# Altium PCB BeagleBone_Black_RevB4.PcbDoc (part 2 of 5) (continued)
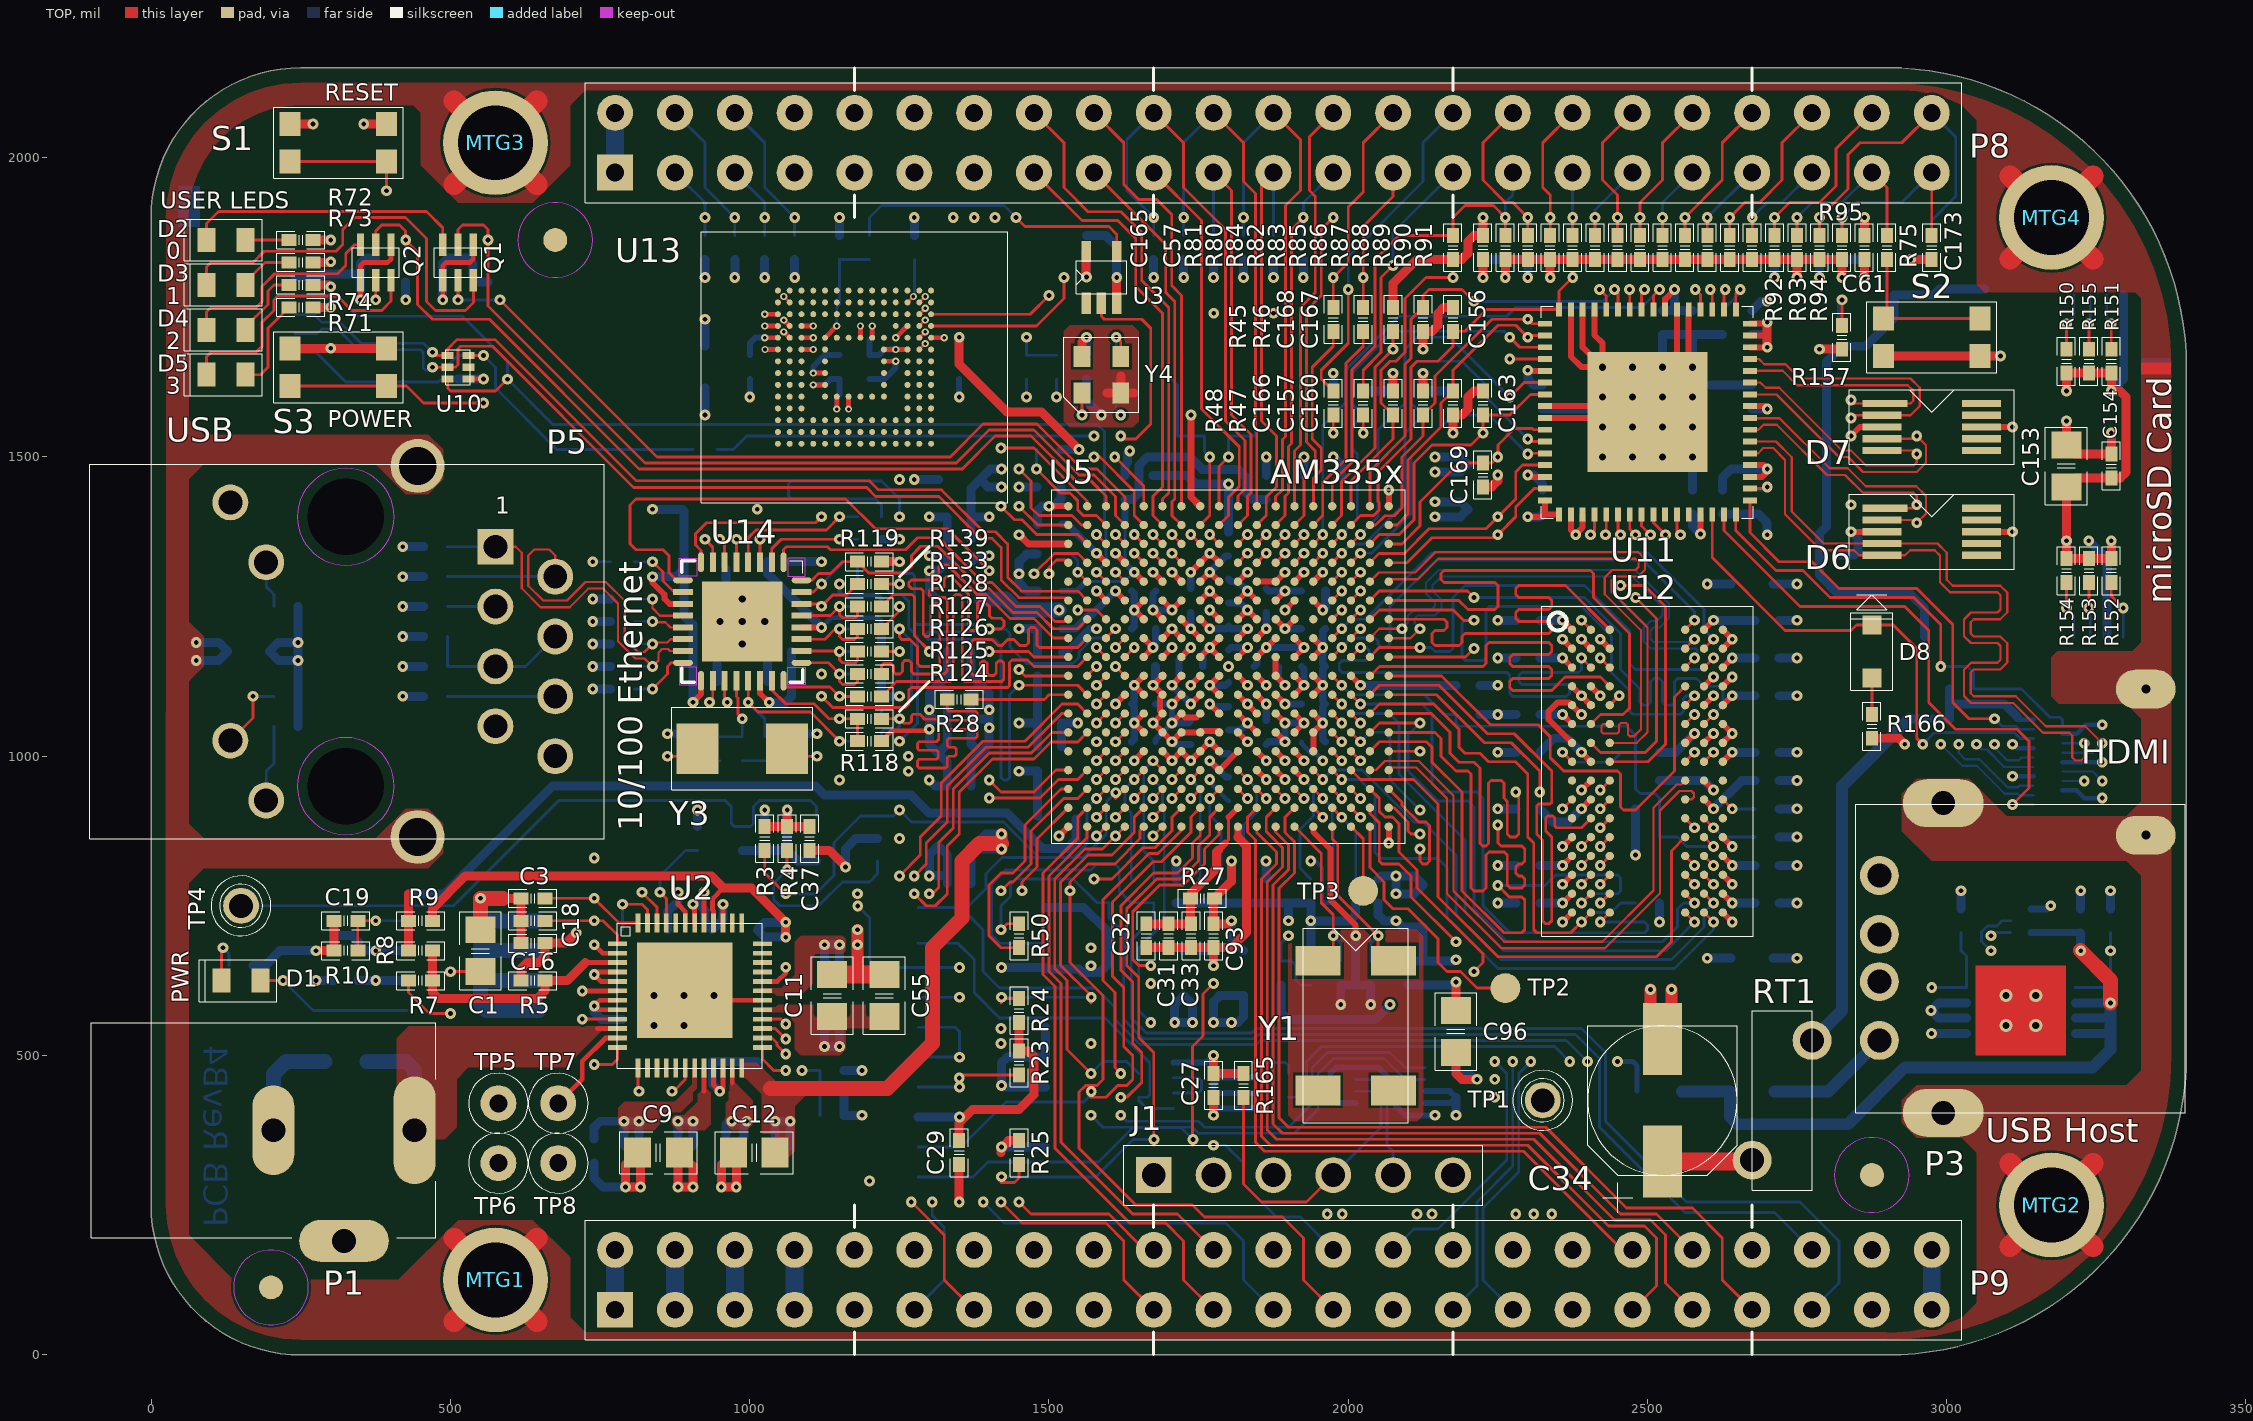
[diagram p0: TOP view]
## Nets (pads, with @x,y where several pads share a name; then routed paths per layer and width w, separated by ;. In a path a pad name is that pad's centre, name@x,y a point inside that pad or via, vN(x,y) a via of type N, cw(c..) or ccw(c..) an arc to the next point about the centre after c; other vN are vias at no path point) (continued)
DDR_D3: U5.N2 U12.F8 | length 895.9
  TOP w4.75: U5.N2@2036.22,1260.24 2051.95,1275.97 2199.03,1275.97 v1(2210,1265)
  BOTTOM w4.75: v1(2210,1265) 2395,1265 2455,1205 2455,1145 2487.5,1112.5 2487.5,1090 2492.5,1085 2500,1085 2505,1090 2505,1125 2510,1130 2520,1130 2525,1125 2525,1090 2530,1085 2540,1085 2545,1090 2545,1125 2550,1130 2581.74,1130 2595,1116.74 2618.26,1116.74 2625.99,1109.01 2625.99,1085.24 v1(2610.25,1069.5)
DDR_D4: U5.N3 U12.H3 | length 918.3
  TOP w4.75: U5.N3@2004.72,1260.24 v1(2020.5,1276) ; U12.H3@2437,990.75 2500.75,990.75 2530,1020 2530,1250 2495,1285 v1(2455,1285)
  LYR3 w5.25: v1(2020.5,1276) 2021,1276 2070,1325 2415,1325 v1(2455,1285)
DDR_D5: U5.N4 U12.H8 | length 895
  TOP w4.75: U5.N4@1973.23,1260.24 v1(1989,1276)
  LYR3 w4.75: v1(1989,1276) 2004.76,1260.24 2030.24,1260.24
  LYR3 w5.25: 2030.24,1260.24 2080,1310 2390,1310 2530,1170 2530,1025 2565,990 2593.75,990 v1(2610.25,1006.5)
DDR_D6: U5.P3 U12.G2 | length 916.3
  TOP w4.75: U5.P3@2004.72,1291.73 v1(2020.5,1307.5) ; U12.G2@2405.5,1022.25 2421.37,1006.38 2496.38,1006.38 2515,1025 2515,1230 v1(2480,1265)
  LYR3 w5.25: v1(2020.5,1307.5) 2032.5,1307.5 2065,1340 2425,1340 2480,1285 v1(2480,1265)
DDR_D7: U5.P4 U12.H7 | length 895.2
  TOP w4.75: U5.P4@1973.23,1291.73 v1(1989,1307.5)
  LYR3 w4.75: v1(1989,1307.5) 2004.76,1323.26 2028.26,1323.26
  LYR3 w5.25: 2028.26,1323.26 2059.01,1354.01 2435.99,1354.01 2550,1240 2550,1035.25 v1(2578.75,1006.5)
DDR_D8: U5.J1 U12.D7 | length 799
  TOP w4.75: U5.J1@2067.72,1134.25 2155.75,1134.25 2237.5,1052.5 2317.5,1052.5 2337.5,1032.5 2337.5,997.5 2360,975 2450,975 2455,970 2455,915 2460,910 2480,910 2545,975 2545,1098.75 U12.D7@2563,1116.75
DDR_D9: U5.K1 U12.C3 | length 799.4
  TOP w4.75: U5.K1@2067.72,1165.75 2195.74,1165.74 v1(2210,1180) ; v1(2421.25,1164) U12.C3@2437,1148.25
  LYR3 w5.25: v1(2210,1180) 2225,1180 2230,1185 2230,1260 2235,1265 2265,1265 2270,1260 2270,1175 2275,1170 2295,1170 2300,1175 2300,1260 2305,1265 2325,1265 2330,1260 2330,1135 2335,1130 2416.25,1130 2421.25,1135 v1(2421.25,1164)
DDR_D10: U5.K2 U12.C8 | length 776.7
  TOP w4.75: U5.K2@2036.22,1165.75 2051.95,1181.48 v1(2120,1181.48)
  BOTTOM w4.75: v1(2120,1181.48) 2138.52,1181.48 2145,1175 2170,1175 2175,1180 2175,1265 2195,1285 2395,1285 2470,1210 2470,1155 2480,1145 2591.25,1145 v1(2610.25,1164)
DDR_D11: U5.K3 U12.C2 | length 774.8
  TOP w4.75: U5.K3@2004.72,1165.75 v1(2020.5,1181.5)
  BOTTOM w4.75: v1(2020.5,1181.5) 2030,1181.5 2035,1176.5 2035,1165 2030,1160 1990,1160 1985,1155 1985,1145 1990,1140 2265,1140 2270,1135 2270,1105 2275,1100 2365,1100 2370,1105 2370,1115 2365,1120 2290,1120 2285,1125 2285,1135 2290,1140 2384.75,1140 2389.75,1145 v1(2389.75,1164)
DDR_D12: U5.K4 U12.A7 | length 774.1
  TOP w4.75: U5.K4@1973.23,1165.75 v1(1989,1181.5)
  BOTTOM w4.75: v1(1989,1181.5) 2004.76,1197.26 2045,1197.26 2050,1192.26 2050,1187.5 2055,1182.5 2065,1182.5 2070,1187.5 2070,1250 2147.5,1327.5 2492.5,1327.5 2578.75,1241.25 v1(2578.75,1227)
DDR_D13: U5.L3 U12.A2 | length 774.1
  TOP w4.75: U5.L3@2004.72,1197.24 v1(2020.5,1213)
  LYR3 w5.25: v1(2020.5,1213) 2033,1213 2050,1230 2135,1230 2140,1225 2140,1185 2145,1180 2185,1180 2190,1185 2190,1250 2185,1255 2095,1255 2090,1260 2090,1275.99 2095,1280.99 2369.01,1280.99 2390,1260 2390,1227.25 v1(2389.75,1227)
DDR_D14: U5.L4 U12.B8 | length 776.1
  TOP w4.75: U5.L4@1973.23,1197.24 v1(1989,1213)
  BOTTOM w4.75: v1(1989,1213) 2004.76,1228.76 2028.76,1228.76 2140,1340 2500,1340 2594.49,1245.51 2594.49,1211.26 v1(2610.25,1195.5)
DDR_D15: U5.M1 U12.A3 | length 792.6
  TOP w4.75: U5.M1@2067.72,1228.74 2100,1228.74 2160,1228.75 2165,1223.75 2165,1215 2160,1210 2145,1210 2140,1205 2140,1190 2145,1185 2185,1185 2190,1190 2190,1200 2195,1205 2335,1205 2340,1210 2340,1220 2335,1225 2285,1225 2280,1230 2280,1240 2285,1245 2335,1245 2340,1250 2340,1260 2335,1265 2285,1265 2280,1270 2280,1280 2285,1285 2363.25,1285 U12.A3@2437,1211.25
DDR_DQM0: U5.M2 U12.E7 | length 896.9
  TOP w4.75: U5.M2@2036.22,1228.74 2051.99,1244.51 2175.49,1244.51 2193,1227 v1(2210,1227)
  BOTTOM w4.75: v1(2210,1227) 2195,1227 2190,1222 2190,1165 2195,1160 2225,1160 2230,1165 2230,1245 2235,1250 2390,1250 2440,1200 2440,1140 2470,1110 2470,1075 2475,1070 2555,1070 2560,1075 2560,1096 2565,1101 v1(2578.75,1101)
DDR_DQM1: U5.J2 U12.D3 | length 793.8
  TOP w4.75: U5.J2@2036.22,1134.25 2051.97,1150 2225,1150 2230,1155 2230,1185 2235,1190 2335,1190 2340,1185 2340,1175 2335,1170 2275,1170 2270,1165 2270,1155 2275,1150 2335,1150 2340,1145 2340,1135 2335,1130 2275,1130 2270,1125 2270,1115 2275,1110 2340,1110 2362.48,1132.48 2421.27,1132.48 U12.D3@2437,1116.75
DDR_DQS0: U5.P1 U12.F3 | length 915.7
  TOP w3.75: U5.P1@2067.72,1291.73 2071.85,1295.86 2116.42,1295.86 2150.56,1330 2480,1330 2485,1325 2485,1316.24 2480,1311.24 2441.24,1311.24 2428.76,1298.76 2428.76,1270.68 2489,1210.44 2489,1044.56 2477.69,1033.25 2470.5,1033.25 2467.5,1036.25 2467.5,1052.25 2464.5,1055.25 2455.5,1055.25 2452.5,1052.25 2452.5,1041 2449.5,1038 2426,1038 2423,1041 2423,1050.75 2426,1053.75 U12.F3@2437,1053.75
DDR_DQS1: U5.L1 U12.C7 | length 776.1
  TOP w3.75: U5.L1@2067.72,1197.24 2104.23,1197.24 v1(2120,1213)
  BOTTOM w3.75: v1(2120,1213) 2111,1222 2111,1230 2116,1235 2144.56,1235 2156,1246.44 2156,1261.56 2141,1276.56 2141,1285.44 2155.8,1300.24 2474.76,1300.24 2525,1250 2525,1235 2516,1226 2505.44,1226 2494,1214.56 2494,1191.44 2505.44,1180 2580.25,1180 2583.25,1177 2583.25,1167 2580.25,1164 v1(2578.75,1164)
DDR_DQSN0: U5.P2 U12.G3 | length 915.8
  TOP w3.75: U5.P2@2036.22,1291.73 2051.35,1306.86 2111.86,1306.86 2146,1341 2484.56,1341 2496,1329.56 2496,1311.68 2484.56,1300.24 2445.8,1300.24 2439.76,1294.2 2439.76,1275.24 2500,1215 2500,1040 2482.25,1022.25 U12.G3@2437,1022.25
DDR_DQSN1: U5.L2 U12.B7 | length 776.6
  TOP w3.75: U5.L2@2036.22,1197.24 2051.99,1213.01 v1(2090,1213)
  BOTTOM w3.75: v1(2090,1213) 2100,1223 2100,1234.56 2111.44,1246 2140,1246 2145,1251 2145,1257 2130,1272 2130,1290 2151.24,1311.24 2479.32,1311.24 2536,1254.56 2536,1230.44 2520.56,1215 2510,1215 2505,1210 2505,1196 2510,1191 2574.25,1191 v1(2578.75,1195.5)
DDR_ODT: U5.G1 U12.K1 | length 926.9
  TOP w4.75: U5.G1@2067.72,1071.26 2113.47,1071.26 ; 2113.48,1071.27 2138.73,1071.27 2170,1040 2170,1005 2185,990 2210,990 2220,980 2220,854.18 2224.18,850 2230.08,850 2234.26,854.18 2234.26,955 2238.52,959.26 2255.74,959.26 2260,955 2260,930 2265.74,924.26 2265.74,870 2270.74,865 2280,865 2285,870 2285,935 v1(2280,940)
  LYR3 w5.25: v1(2280,940) 2280,960 2270,970 2270,985 2275,990 2290,990 2300,980 2300,925 2295,920 2285,920 2280,915 2280,905 2285,900 2320,900 2332,912 v1(2358.25,912)
DDR_RASN: U5.G4 U12.J3 | length 921.5
  TOP w4.75: U5.G4@1973.23,1071.26 v1(1989,1055.5)
  LYR3 w4.75: v1(1989,1055.5) 1973.26,1039.76 1973.26,1016.74 1981.74,1008.26 1996.74,1008.26 2004.76,1000.24 2004.76,985 2014.76,975 2021,975
  LYR3 w5.25: 2021,975 2135,975 2155,995 2155,1020 2135.49,1039.51 2105,1039.51 2100,1044.51 2100,1080 2105,1085 2165,1085 2224.25,1025.75 2274.25,1025.75 2339.5,960.5 2415.5,960.5 2425,970 2445,970 2473.96,941.04 2473.96,933.96 2468.15,928.15 2461.09,928.15 2445.75,943.5 v1(2421.25,943.5)
DDR_RESETN: R97.2 U5.G2 U12.T2 | length 793.1
  TOP w4.75: U5.G2@2036.22,1071.26 2051.99,1087.03 2142.97,1087.03 2185,1045 2185,1015 2195,1005 2220,1005 2234.26,990.74 2279.26,990.74 2300,970 2300,865 2310,855 2310,710 2315,705 2371.75,705 v1(2389.75,723)
  BOTTOM w4.75: v1(2389.75,723) 2405.51,738.76 2439.26,738.76 2455,754.5 R97.2@2480,754.5
DDR_VREF: C28.1 C123.1 C124.1 R98.2 R100.1 U5.J4 U12.H1 U12.M8 | length 990
  TOP w4.75: U5.J4@1973.23,1134.25 v1(1989,1118.5)
  BOTTOM w4.75: v1(1989,1118.5) 2004.74,1102.76 2127.24,1102.76 2160.5,1069.5 C28.1@2180,1069.5 2180,1055 2185,1050 2465,1050 2480,1035 R98.2@2480,1006.5 ; v1(2358.25,1006.5) 2374.75,990 2440,990 2456.5,1006.5 R98.2@2480,1006.5 ; v1(2610.25,849) 2565.75,849 2550,864.75 C124.1@2520,864.75 R100.1@2520,912 2520,930 2512.5,937.5 2487.5,937.5 2480,945 C123.1@2480,959.25 R98.2@2480,1006.5
DDR_VTP: R22.2 U5.J3 | length 181.8
  TOP w10: U5.J3@2004.72,1134.25 v1(2020.5,1118.5)
  BOTTOM w15: v1(2020.5,1118.5) R22.2@2180,1118.5
DDR_WEN: U5.B2 U12.L3 | length 920.5
  TOP w4.75: U5.B2@2036.22,913.78 2036.22,904.38 2051.85,888.75 2051.85,825 2056.85,820 2085,820 2105,800 2105,765 v1(2180,690)
  LYR3 w5.25: v1(2180,690) 2180.25,689.75 2190.25,689.75 2235,645 2450,645 2485,680 2485,810 2500,825 2500,855 2460,895 2435.75,895 v1(2421.25,880.5)
DGND: C1.1 C2.1 C3.1 C4.1 C7.1 C8.1 C9.1 C10.1 C11.1 C12.1 C13.1 C14.1 C15.1 C16.2 C17.2 C18.2 C19.2 C20.2 C24.2 C27.2 C28.2 C29.2 C30.2 C34.2 C35.2 C36.2 C37.2 C38.2 C39.1 C40.1 C41.2 C42.2 C43.2 C44.2 C45.2 C46.2 C47.2 C48.2 C49.2 C50.2 C51.2 C52.2 C53.2 C54.2 C55.1 C56.1 C57.1 C58.2 C59.2 C60.1 C61.1 C62.1 C63.2 C64.2 C65.2 C66.2 C67.2 C68.1 C69.1 C70.1 C71.1 C72.1 C73.1 C74.1 C75.1 C76.1 C77.2 C78.2 C79.2 C80.2 C81.2 C82.2 C83.2 C84.2 C85.2 C86.2 C87.2 C88.2 C89.2 C90.2 C91.2 C92.2 C94.2 C95.1 C96.1 C97.2 C98.2 C99.2 C100.2 C101.2 C102.2 C103.2 C104.2 C105.2 C106.2 C107.2 C108.2 C109.2 C110.2 C111.2 C112.2 C113.2 C114.2 C115.2 C116.2 C117.2 C118.1 C119.2 C120.2 C121.2 C122.1 C123.2 C124.2 C125.2 C126.1 C127.2 C128.2 C129.2 C130.2 C131.2 C132.2 C133.1 C134.2 C135.2 C136.2 C137.2 C138.2 C139.2 C140.2 C141.2 C142.2 C143.2 C144.2 C145.2 C146.2 C147.2 C148.2 C149.2 C150.2 C151.2 C152.2 C153.2 C154.2 C155.1 C156.2 C157.2 C158.2 C159.2 C160.2 C161.2 C162.2 C163.2 C164.2 C165.2 C166.2 C167.2 C168.2 C169.2 C170.2 C171.2 C172.2 C173.2 D6.3 D6.8 D7.3 D7.8 FB3.2 J1.1 P1.2 P2.4 P2.8 P2.10 P2.12 P2.16 P2.20 P3.4 P4.5 P5.8 P6.4 P6.7 P6.10 P6.13 P6.16 P8.1 P8.2 P9.1 P9.2 P9.43 P9.44 P9.45 P9.46 P10.6 P10.9 Q1.1 Q1.4 Q2.1 Q2.4 R10.2 R12.1 R22.1 R25.2 R49.1 R53.2 R54.1 R76.2 R77.2 R78.2 R79.2 R80.2 R81.2 R82.2 R83.2 R84.2 R85.2 R86.2 R87.2 R88.2 R89.2 R90.2 R91.2 R92.2 R93.2 R94.2 R95.2 R96.1 R99.1 R100.2 R115.2 R116.2 R117.2 R118.2 R130.1 R132.1 R135.2 R136.1 R144.2 R145.2 R148.2 R149.2 R164.2 R165.2 S1.1 S1.3 S2.2 S2.4 S3.1 S3.3 TP1.1 TP8.1 U2.30 U2.41 U2.49 U3.3 U4.5 U4.6 U4.7 U4.8 U5.A1 U5.A18 U5.F8 U5.G8 U5.G9 U5.G11 U5.G12 U5.H6 U5.H7 U5.H8 U5.H9 U5.H10 U5.H12 U5.J6 U5.J7 U5.J8 U5.J9 U5.J10 U5.J11 U5.K7 U5.K9 U5.K10 U5.K11 U5.L10 U5.L11 U5.L12 U5.L13 U5.M6 U5.M7 U5.M8 U5.M9 U5.M10 U5.M12 U5.M14 U5.N7 U5.N10 U5.N11 U5.N14 U5.V1 U5.V18 U6.4 U7.2 U8.1 U8.9 U9.4 U10.4 U11.8 U11.9 U11.16 U11.17 U11.18 U11.19 U11.53 U11.54 U11.61 U11.62 U11.63 U11.65 U12.A9 U12.B1 U12.B3 U12.B9 U12.D1 U12.D8 U12.E1 U12.E2 U12.E8 U12.F9 U12.G1 U12.G8 U12.G9 U12.J2 U12.J8 U12.M1 U12.M9 U12.P1 U12.P9 U12.T1 U12.T9 U13.C4 U13.E7 U13.G5 U13.H10 U13.K8 U13.N2 U13.N5 U13.P4 U13.P6 U14.33 U15.1 U15.4 Y4.2 | length 18513.7
  TOP w4.75: v3(1056.89,1768.11) U13.N2@1066.73,1758.27
  TOP w7.5: U10.4@529.78,1630.32 v1(555,1630.32) ; R118.2@1220,1025 1237.4,1042.4 1297.4,1042.4 v1(1300,1045)
  TOP w8: v1(349.41,1762.5) Q2.1@349.41,1795.47 349.41,1819.41 355,1825 395,1825 400.59,1830.59 Q2.4@400.59,1854.53 ; v1(486.91,1762.5) Q1.1@486.91,1795.47 486.91,1819.41 492.5,1825 532.5,1825 538.09,1830.59 Q1.4@538.09,1854.53 ; U2.41@923.62,721.06 v1(923.62,772.5) ; v2(940,600) 955,600 962.87,592.13 U2.30@1021.06,592.13 ; v3(1025,1718.9) U13.P4@1047.05,1718.9 ; v3(1025.47,1679.53) U13.P6@1047.05,1679.53 ; v3(1056.89,1709.06) U13.N5@1066.73,1699.21 ; v3(1106.1,1640.16) U13.K8@1125.79,1640.16 ; v3(1165.16,1580) U13.H10@1165.16,1600.79 ; U13.G5@1184.84,1699.21 v3(1184.84,1718.9) ; U13.E7@1224.21,1659.84 v3(1243.9,1659.84) ; v3(1243.9,1699.21) U13.C4@1263.58,1718.9
  TOP w10: v1(1500,1417.72) U5.V18@1532.28,1417.72 ; v1(1516.5,866.5) U5.A18@1532.28,882.28 ; U5.M14@1658.27,1228.74 v1(1642.5,1244.5) U5.N14@1658.27,1260.24 ; U5.L13@1689.76,1197.26 v1(1705.5,1213) U5.L12@1721.26,1197.24 ; v1(1705.5,1055.5) U5.G12@1721.26,1071.26 1727.52,1065 1746.5,1065 U5.G11@1752.76,1071.26 ; v1(1705.5,1087) U5.H12@1721.26,1102.76 ; U5.M12@1721.26,1228.74 v1(1737,1213) U5.L11@1752.76,1197.24 ; v1(1737,1118.5) U5.J11@1752.76,1134.25 ; U5.K11@1752.76,1165.76 v1(1768.5,1181.5) ; U5.N11@1752.76,1260.24 v1(1768.5,1276) U5.N10@1784.25,1260.24 ; v1(1768.5,1244.5) U5.M10@1784.25,1228.74 ; U5.H10@1784.24,1102.76 v1(1768.5,1118.5) U5.J10@1784.25,1134.25 ; U5.K10@1784.25,1165.75 v1(1768.5,1181.5) ; U5.L10@1784.24,1197.24 v1(1768.5,1181.5) ; U5.G9@1815.75,1071.26 v1(1831.5,1055.51) U5.F8@1847.24,1039.76 ; U5.H9@1815.75,1102.76 v1(1831.5,1087.01) U5.G8@1847.24,1071.26 ; U5.J9@1815.75,1134.25 v1(1831.5,1118.5) ; U5.K9@1815.75,1165.75 v1(1831.5,1181.5) ; U5.M9@1815.75,1228.74 v1(1831.5,1244.49) U5.M8@1847.24,1228.74 ; U5.H8@1847.24,1102.76 v1(1862.99,1087.01) ; U5.J8@1847.24,1134.25 v1(1862.99,1118.5) ; U5.H7@1878.74,1102.76 v1(1894.5,1087) ; U5.K7@1878.74,1165.75 U5.J7@1878.74,1134.25 v1(1894.5,1118.5) ; U5.M7@1878.76,1228.74 v1(1894.5,1213) U5.M6@1910.24,1228.74 ; U5.N7@1878.74,1260.24 v1(1894.5,1276) ; U5.H6@1910.24,1102.76 v1(1926,1118.5) U5.J6@1910.24,1134.25 ; v1(2067.72,855) U5.A1@2067.72,882.28 ; U5.V1@2067.72,1417.72 v1(2067.72,1445) ; v1(2300,1400) 2325,1400 2328.74,1403.74 ; U11.16@2328.74,1427.36 2328.74,1403.74 ; U11.9@2328.74,1565.16 2409.84,1565.16 v2(2425,1550) ; U11.8@2328.74,1584.84 2409.84,1584.84 v2(2425,1600) ; U11.17@2352.36,1403.74 2328.74,1403.74 ; U11.18@2372.05,1403.74 2372.05,1377.95 v1(2380,1370) 2380,1370.97 2391.73,1382.7 U11.19@2391.73,1403.74 ; U11.63@2372.05,1746.26 2372.05,1667.95 2390,1650 v2(2425,1650) ; U12.G1@2374,1022.25 2335,1061.25 2335,1075 2350,1090 2369.25,1090 U12.E1@2374,1085.25 ; U12.D1@2374,1116.75 v1(2389.75,1101) ; U11.62@2391.73,1746.26 2391.73,1683.27 v2(2425,1650) ; U11.61@2411.42,1746.26 2411.42,1703.58 2425,1690 v2(2425,1650) ; v2(2525,1650) 2549.21,1674.21 U11.54@2549.21,1746.26 ; U11.53@2568.9,1746.26 2568.9,1656.1 v2(2575,1650) ; U12.F9@2626,1053.75 v1(2641.75,1038) ; U12.A9@2626,1211.25 v1(2641.75,1195.5) ; v1(2840,1375) D6.3@2892,1375 ; v1(2840,1535) 2855,1550 D7.3@2892,1550 ; D6.8@3058,1375 v1(3110,1375) ; D7.8@3058,1550 v1(3110,1550)
  TOP w15: S3.3@231.79,1681.5 v1(300,1681.5) S3.1@393.21,1681.5 ; S1.3@231.79,2056.5 v1(270,2056.5) ; v1(275,675) R10.2@305,675 C19.2@305,725 ; v1(355,2056.5) S1.1@393.21,2056.5 ; 587.5,762.5 C3.1@617.5,762.5 C18.2@617.5,725 C16.2@617.5,687.5 ; C37.2@1100,842.5 1132.5,842.5 v1(1160,815) ; v1(1350,255) C29.2@1350,317.5 ; 1420,337.5 1420,345 1432.5,357.5 R25.2@1450,357.5 ; 1597,1607 Y4.2@1620,1607 ; U3.3@1613.09,1756.69 v1(1613.09,1800) ; 1620,1635 Y4.2@1620,1607 ; 1642,1607 Y4.2@1620,1607 ; v1(1775,500) C27.2@1775,470 R165.2@1825,470 ; C166.2@2075,1610 v1(2075,1640) ; C168.2@2075,1750 2075,1790 2115,1830 C165.2@2175,1830 2190,1830 2200,1840 2200,1860 2210,1870 C57.1@2225,1870 v1(2225,1900) ; C157.2@2125,1610 v1(2125,1640) ; v1(2125,1680) C167.2@2125,1710 2140,1710 2150,1720 2150,1740 2160,1750 C156.2@2175,1750 ; v1(2175,1540) C160.2@2175,1570 2190,1570 2200,1580 2200,1600 2210,1610 C163.2@2225,1610 ; C96.1@2180,505 2180,470 2190,460 v1(2215,460) ; C169.2@2225,1450 2240,1450 2250,1460 v1(2250,1470) ; v1(2262.5,1800) R81.2@2262.5,1830 R80.2@2300,1830 R84.2@2337.5,1830 ; v1(2337.5,1800) R84.2@2337.5,1830 ; v1(2750,1800) R93.2@2750,1830 ; v1(2825,1800) R95.2@2825,1830 R94.2@2787.5,1830 R93.2@2750,1830 ; C61.1@2862.5,1870 v1(2862.5,1900) ; S2.4@2894.29,1668.5 S2.2@3055.71,1668.5 v1(3090,1668.5) ; v1(2940,1830) C173.2@2975,1830 ; v1(3200,1560) C153.2@3200,1520 3215,1505 C154.2@3275,1505 v1(3275,1540) ; R84.2@2337.5,1830 R82.2@2375,1830 R83.2@2412.5,1830 R85.2@2450,1830 R86.2@2487.5,1830 R87.2@2525,1830 R88.2@2562.5,1830 R89.2@2600,1830 R90.2@2637.5,1830 R91.2@2675,1830 R92.2@2712.5,1830 R93.2@2750,1830 ; v1(880,280) v1(905,280) 905,315 C9.1@882.5,337.5 880,335 v1(880,280) ; v1(952.5,280) v1(977.5,280) 977.5,332.5 C12.1@972.5,337.5 952.5,317.5 v1(952.5,280)
  TOP w20: 1180,635 v1(1180,685) v1(1180,710) ; v1(2505,610) 2505,547.5 C34.2@2525,527.5 2540,542.5 v1(2540,610)
  TOP w25: C1.1@550,710 v1(550,762.5) 587.5,762.5
  TOP w30: C11.1@1137.5,635 1180,635 C55.1@1225,635
  LYR2_GND w35: 160.98,375 P1.2@204,375 ; 204,291.98 P1.2@204,375 ; 204,458.02 P1.2@204,375 ; 247.02,375 P1.2@204,375 ; 646.12,971.12 P5.8@675,1000 ; 646.12,1028.88 P5.8@675,1000 ; 651.12,291.12 TP8.1@680,320 ; 651.12,348.88 TP8.1@680,320 ; 703.88,971.12 P5.8@675,1000 ; 703.88,1028.88 P5.8@675,1000 ; 708.88,291.12 TP8.1@680,320 ; 708.88,348.88 TP8.1@680,320 ; 736.98,113.02 P9.1@775,75 813.02,113.02 ; 736.98,1936.98 P8.1@775,1975 ; 736.98,2013.02 P8.1@775,1975 ; 746.12,146.12 P9.2@775,175 ; 746.12,203.88 P9.2@775,175 ; 746.12,2046.12 P8.2@775,2075 803.88,2046.12 ; 803.88,146.12 P9.2@775,175 ; 803.88,203.88 P9.2@775,175 ; 813.02,1936.98 P8.1@775,1975 ; 813.02,2013.02 P8.1@775,1975 ; 1636.98,261.98 J1.1@1675,300 ; 1636.98,338.02 J1.1@1675,300 ; 1713.02,261.98 J1.1@1675,300 ; 2296.12,396.12 TP1.1@2325,425 ; 2296.12,453.88 TP1.1@2325,425 ; 2353.88,396.12 TP1.1@2325,425 ; 2353.88,453.88 TP1.1@2325,425 ; 2846.12,103.88 P9.43@2875,75 2903.88,103.88 ; 2846.12,146.12 P9.44@2875,175 ; 2846.12,203.88 P9.44@2875,175 ; 2856.85,769.95 P3.4@2887.5,800.6 ; 2856.85,831.25 P3.4@2887.5,800.6 ; 2903.88,146.12 P9.44@2875,175 ; 2903.88,203.88 P9.44@2875,175 ; 2918.15,769.95 P3.4@2887.5,800.6 ; 2918.15,831.25 P3.4@2887.5,800.6 ; 2946.12,103.88 P9.45@2975,75 3003.88,103.88 ; 2946.12,146.12 P9.46@2975,175 ; 2946.12,203.88 P9.46@2975,175 ; 3003.88,146.12 P9.46@2975,175 ; 3003.88,203.88 P9.46@2975,175
  BOTTOM w7.5: v1(1150,1287.5) 1150,1273.75 1155,1268.75 1215,1268.75 1220,1263.75 R115.2@1220,1250 ; v1(1768.5,961) 1768.5,956.5 1799.75,925.25 C88.2@1800,925.25 ; v1(3110,966.38) P6.7@3145.08,966.38 ; v1(3110,1020) 3116.38,1013.62 P6.13@3145.08,1013.62 ; P6.4@3193.31,942.76 3217.24,942.76 3230,930 v1(3260,930) ; P6.10@3193.31,990 v1(3260,990) ; P6.16@3193.31,1037.24 3217.24,1037.24 3232.5,1052.5 v1(3260,1052.5)
  BOTTOM w8: C100.2@1921.75,1024 1921.75,1021.31 1939.31,1003.75 1946.25,1003.75 v1(1957.5,992.5)
  BOTTOM w10: v1(1000,1600) C127.2@1000,1630 ; v3(1106.1,1640.16) 1106.1,1651.1 1125,1670 C128.2@1150,1670 ; C129.2@1200,1630 1225,1630 1243.9,1648.9 v3(1243.9,1659.84) ; v1(1350,1600) C130.2@1350,1630 ; C70.1@1678.25,1024 1678.25,1028.25 v1(1705.5,1055.5) v1(1705.5,1087) ; U6.4@1708,488.4 1763.4,488.4 v1(1775,500) ; U15.1@2012,420.5 1979.5,420.5 1970,430 1970,470 1979.5,479.5 U15.4@2012,479.5 2050.5,479.5 2080,450 2080,415 2095,400 v1(2145,400) ; C155.1@2180,470 2205,470 v1(2215,460)
  BOTTOM w12: C66.2@1638.25,1213 1642.5,1217.25 v1(1642.5,1244.5) 1642.5,1271.75 C41.2@1638.25,1276 ; C60.1@1678.25,1087 v1(1705.5,1087) ; v1(1705.5,1055.5) 1732.75,1055.5 C63.2@1737,1059.75 ; v1(1737,1213) C94.2@1737,1240.25 ; C46.2@1757,1150 1757,1170 v1(1768.5,1181.5) ; v1(1768.5,1118.5) 1794.6,1118.5 C49.2@1800,1122.75 ; C72.1@1800,1043.98 1819.99,1044 v1(1831.5,1055.51) ; C47.2@1800,1177.25 1804.25,1181.5 v1(1831.5,1181.5) ; C42.2@1800,1256 1819.99,1256 v1(1831.5,1244.49) ; C50.2@1863,1059.75 v1(1862.99,1087.01) ; C43.2@1863,1280.25 1867.25,1276 v1(1894.5,1276) C73.1@1921.75,1276 ; C48.2@1883,1150 1883,1130 v1(1894.5,1118.5) ; v1(1894.5,1087) C99.2@1921.75,1087 ; v1(1894.5,1213) C97.2@1921.75,1213 ; C98.2@1921.72,1150 1925.99,1145.76 v1(1926,1118.5) ; U9.4@3141.18,744.68 3168.58,744.68 v1(3173.9,750)
  BOTTOM w15: R12.1@170,650 190,650 215,675 v1(275,675) C20.2@305,675 ; P4.5@240,1800.49 280,1800.49 284.84,1805.33 349.41,1805.33 ; R135.2@245,1050 R130.1@245,1100 v1(245,1160) ; R132.1@245,1250 v1(245,1190) ; v1(275,625) C17.2@305,625 ; v1(349.41,1762.5) 349.41,1805.33 ; R78.2@375,1832.5 358.43,1832.5 349.41,1823.48 349.41,1805.33 ; v1(420,1100) C140.2@455,1100 ; v1(420,1200) C141.2@455,1200 ; v1(420,1250) C139.2@455,1250 ; v1(420,1300) C138.2@455,1300 ; v1(420,1350) C137.2@455,1350 ; v1(425,1762.5) R79.2@425,1792.5 ; v1(486.91,1762.5) 486.91,1823.48 495.93,1832.5 R76.2@512.5,1832.5 527.5,1832.5 537.5,1822.5 537.5,1802.25 547.25,1792.5 R77.2@562.5,1792.5 ; C36.2@512.5,1630 554.68,1630 v1(555,1630.32) ; v1(737.5,1112.5) R144.2@767.5,1112.5 ; v1(862.5,1037.5) 907.5,1037.5 C142.2@912.5,1032.5 ; v1(925,1570) C126.1@925,1615 ; C131.2@945,1125 C132.2@945,1175 ; v2(950,1225) 945,1220 C132.2@945,1175 ; C133.1@960,1312.5 960,1277.5 975,1262.5 v2(987.5,1262.5) ; C152.2@1025,882.5 v1(1025,910) ; C134.2@1030,1125 C136.2@1030,1175 1000,1175 v2(987.5,1187.5) 975,1175 C132.2@945,1175 ; C143.2@1062.5,1032.5 1067.5,1037.5 v1(1112.5,1037.5) ; C135.2@1070,1325 v1(1120,1325) ; C24.2@1157.5,437.5 C30.2@1157.5,400 v1(1187.5,400) ; v1(1160,815) 1160,845 1177.5,862.5 U7.2@1213.5,862.5 ; R117.2@1220,1137.5 R116.2@1220,1100 v1(1250,1100) ; R145.2@1220,1362.5 v1(1250,1362.5) ; v1(1275,1462.5) C77.2@1315,1462.5 ; C125.2@1275,1870 v1(1275,1900) ; v1(1300,800) v1@1300,800.25 ; v1(1300,960) 1310,950 C53.2@1330,950 1330,990 C39.1@1315,1005 ; v1(1300,1400) C67.2@1330,1400 C38.2@1330,1362.5 ; C64.2@1330,787.5 1330,800.25 ; C51.2@1330,1175 1330,1135 C40.1@1315,1120 ; C78.2@1370,1325 1380,1335 v1(1400,1335) ; v1(1420.5,347.1) P2.4@1494.5,347.1 ; v1(1420.5,647.1) P2.16@1494.5,647.1 1497,644.6 1549.64,644.6 1555.5,638.74 1584.64,638.74 1596.11,650.21 1596.11,708.99 1558,747.1 P2.20@1494.5,747.1 ; v1(1450,975) C82.2@1480.75,975 C83.2@1480.75,937.38 C85.2@1480.75,900 ; v1(1450,1055.5) C54.2@1480.75,1055.5 ; v1(1450,1213) C87.2@1480.75,1213 C45.2@1480.75,1173.63 ; R49.1@1480,1337.5 1462.5,1337.5 1450,1325 v1(1450,1305) 1450,1290 1464,1276 C84.2@1480.75,1276 ; C44.2@1480.75,1016.13 C54.2@1480.75,1055.5 ; C69.1@1480.75,1134.25 C79.2@1480.75,1094.88 C54.2@1480.75,1055.5 ; C86.2@1480.75,1387.5 1480.75,1410 1488.47,1417.72 v1(1500,1417.72) 1507.72,1417.72 1520,1430 C71.1@1520,1450 ; P2.8@1494.5,447.1 1423,447.1 v1(1420.5,449.6) 1420.5,487.35 1430.25,497.1 P2.10@1494.5,497.1 P2.12@1494.5,547.1 ; C159.2@1562.5,1630 1562.5,1595 v1(1587.5,1570) ; C158.2@1562.5,1870 1595,1870 1613.09,1851.91 v1(1613.09,1800) ; C80.2@1626.77,1469.25 1626.77,1487.26 1630.86,1491.35 1630.86,1505.86 v1(1635,1510) ; C58.2@1674,1469.25 C106.2@1721.26,1469.25 1730.75,1469.25 1745,1455 v1(1800,1455) C56.1@1800,1374.75 ; C59.2@1712.5,755 C90.2@1750,755 C91.2@1787.5,755 C89.2@1825,755 C105.2@1862.5,755 C92.2@1900,755 ; C81.2@1863,1469.25 v1(1863,1500) ; v1(1900,725) C92.2@1900,755 ; C68.1@1926,1469.25 v1(1926,1500) ; R164.2@1937.5,657.5 v1(1937.5,725) ; v1(1975,1500) 1989,1486 C74.1@1989,1469.25 ; C164.2@1975,1610 v1(1975,1640) ; R54.1@2012.5,755 2012.5,734.75 2002.75,725 v1(1937.5,725) ; C161.2@2025,1610 C162.2@2075,1610 v1(2075,1640) ; C101.2@2050,755 2050,735 2060,725 v1(2080,725) 2090,715 C95.1@2125,715 2125,657.5 ; C102.2@2100,657.5 2125,657.5 ; v1(2125,1640) C170.2@2125,1610 C172.2@2175,1610 ; v1(2180,660) 2177.5,657.5 C103.2@2150,657.5 2125,657.5 ; C28.2@2220,1069.5 v1(2250,1069.5) C109.2@2280,1069.5 ; R22.1@2220,1118.5 v1(2250,1118.5) ; C75.1@2225,1870 v1(2225,1900) ; v1(2250,754.5) C113.2@2280,754.5 ; v1(2250,817.5) C112.2@2280,817.5 ; v1(2250,912) C111.2@2280,912 ; v1(2250,1006.5) C110.2@2280,1006.5 ; v1(2250,1164) C108.2@2280,1164 ; v1(2250,1227) C107.2@2280,1227 ; v1(2300,1400) 2320,1400 C145.2@2325,1405 ; C144.2@2325,1580 2405,1580 v2(2425,1600) ; v1(2480,835) C124.2@2480,864.75 R100.2@2480,912 ; C123.2@2520,959.25 2594.5,959.25 v1(2610.25,943.5) ; v2(2525,1650) C146.2@2525,1705 C148.2@2575,1705 ; C147.2@2575,1445 v2(2575,1500) ; v2(2575,1600) 2595,1620 C150.2@2675,1620 ; v2(2575,1650) C148.2@2575,1705 ; C151.2@2625,1405 R148.2@2675,1405 2685,1405 2700,1390 v1(2700,1370) ; R149.2@2625,1705 C148.2@2575,1705 ; C149.2@2675,1745 2690,1760 v1(2700,1760) ; C122.1@2710,662.5 2749.75,662.5 v1(2749.99,662.26) ; C118.1@2710,1287.5 v1(2750,1287.5) ; C121.2@2720,754.5 v1(2750,754.5) ; C120.2@2720,817.5 v1(2750,817.5) ; R99.1@2720,864.75 v1(2750,864.75) ; R96.1@2720,912 v1(2750,912) ; C119.2@2720,959.25 v1(2750,959.25) ; C117.2@2720,1006.5 v1(2750,1006.5) ; C116.2@2720,1101 v1(2750,1101) ; C115.2@2720,1164 v1(2750,1164) ; C114.2@2720,1227 v1(2750,1227) ; P10.9@2819.13,1336.38 2845,1336.38 2851.99,1343.37 2851.99,1363.01 v1(2840,1375) ; C76.1@2862.5,1870 v1(2862.5,1900) ; v1(2940,1830) C171.2@2975,1830 ; v1(2974.8,536.6) U8.1@3032.9,536.6 ; R53.2@3023.9,745 v1(3023.9,775) ; C35.2@3223.9,745 v1(3223.9,775) ; v1(3237.5,1360) 3267.53,1329.97 P10.6@3267.53,1199.28 ; v1(245,1160) 212.5,1160 R136.1@197.5,1175 212.5,1190 v1(245,1190) ; v1(245,1160) v1(245,1190) ; v1@1300,800.25 1300,835 C62.1@1315,850 1330,835 1330,800.25 ; v1@1300,800.25 1330,800.25 ; 1300,1062.5 v1(1300,1045) 1300,1020 C39.1@1315,1005 ; 1300,1062.5 v1(1300,1077.5) 1300,1105 C40.1@1315,1120 ; 1300,1062.5 C52.2@1330,1062.5 ; C39.1@1315,1005 1330,1020 C52.2@1330,1062.5 ; C40.1@1315,1120 1330,1105 C52.2@1330,1062.5 ; C92.2@1900,755 C104.2@1937.5,755 v1(1937.5,725) ; v1(1710,555) 1710,585.1 FB3.2@1725,600.1 1740,585.1 v1(1740,555) v1(1710,555)
  BOTTOM w25: P1.2@204,375 204,469 225,490 C2.1@290,490 ; v1(550,762.5) 550,725 ; U4.8@647.5,575 560,575 550,585 550,625 ; U4.7@647.5,625 550,625 ; U4.6@647.5,675 550,675 ; U4.5@647.5,725 550,725 ; 550,625 550,675 ; 550,675 550,725
  BOTTOM w30: P9.1@775,75 P9.2@775,175 ; P8.1@775,1975 P8.2@775,2075 ; P9.45@2975,75 P9.46@2975,175
  other v1: 1200,290 2358.25,723 2641.75,723 2358.25,786 2641.75,786 2358.25,849 2641.75,849 2389.75,943.5 2610.25,1038 2389.75,1069.5 2610.25,1101 2610.25,1132.5 2358.25,1195.5 2421.25,1195.5
  other v2: 840,550 890,550 3098.9,550 3148.9,550 840,600 890,600 3098.9,600 3148.9,600 987.5,1225 1025,1225 2425,1500 2475,1500 2525,1500 2475,1550 2525,1550 2575,1550 2475,1600 2525,1600 2475,1650
DVI_+5V: P6.19 R146.1 R147.1 RT1.2 | length 873.4
  BOTTOM w8: 3118.49,1064.88 3122.5,1060.87 P6.19@3145.08,1060.87
  BOTTOM w15: 2937.5,1062.5 R146.1@3005,1062.5 3005,1087.5 ; R147.1@3005,1112.5 3005,1087.5 ; 3118.49,1064.88 3095.87,1087.5 3005,1087.5
  BOTTOM w20: RT1.2@2775,525 2825,575 2825,950 2937.5,1062.5
EHRPWM1A: P9.14 U5.U14 | length 1650.6
  TOP w4.75: v1(1575,1500) 1585,1500 1642.5,1442.5 1642.5,1401.99 U5.U14@1658.27,1386.22
  LYR4 w5.25: P9.14@1375,175 1320.99,229.01 1320.99,640.99 1360,680 1360,906.18 1370,916.18 1370,1345 1426.51,1401.51 1461.51,1401.51 1470,1410 1470,1435 1525,1490 1565,1490 v1(1575,1500)
EHRPWM1B: P9.16 U5.T14 | length 1459.9
  TOP w4.75: v1(1642.5,1370.5) U5.T14@1658.27,1354.72
  LYR4 w5.25: P9.16@1475,175 1475,350 1400,425 1400,725 1436.49,761.49 1436.49,958.51 1430,965 1430,1310 1440.99,1320.99 1495.99,1320.99 1565,1390 1623,1390 v1(1642.5,1370.5)
EHRPWM2A: P8.19 U5.U10 | length 662
  TOP w4.75: P8.19@1675,1975 1755,1895 1755,1580 1817.99,1517.01 1817.99,1450.73 1800,1432.74 1800,1401.97 U5.U10@1784.25,1386.22
EHRPWM2B: P8.13 U5.T10 | length 1084.2
  TOP w4.75: v1(1768.5,1370.5) U5.T10@1784.25,1354.72
  LYR3 w5.25: P8.13@1375,1975 1260,1860 1260,1745 1270,1735 1270,1670 1285,1655 1625,1655 1685,1595 1685,1550 1710,1525 1710,1440 1768.5,1381.5 v1(1768.5,1370.5)
EMMC_RSTN: R111.2 R162.2 U13.K5 | length 190.8
  TOP w8: U13.K5@1125.79,1699.21 v3(1145.47,1718.9)
  BOTTOM w4.75: v3(1145.47,1718.9) 1145.47,1750 1150,1754.53 R111.2@1150,1830 R162.2@1200,1830
EMMC_VCCI: C125.1 U13.C2 | length 76.5
  TOP w4.75: U13.C2@1263.58,1758.27 v3(1273.43,1768.11)
  BOTTOM w4.75: v3(1273.43,1768.11) 1275,1769.68 C125.1@1275,1830
ENZ_KALDO_1P8V: R54.2 U5.B4 | length 135
  TOP w4.75: U5.B4@1973.23,913.78 v1(1989,898)
  BOTTOM w4.75: v1(1989,898) 2012.5,874.5 R54.2@2012.5,795
ETH_TXD4: R145.1 U14.18 | length 172.5
  TOP w4.75: U14.18@1036.75,1324 1036.75,1346.75 1052.5,1362.5 v1(1150,1362.5)
  BOTTOM w4.75: v1(1150,1362.5) R145.1@1180,1362.5